# Altium PCB Seeed Case (113x70x25) - Alarm Interface (2560).PcbDoc (continued)
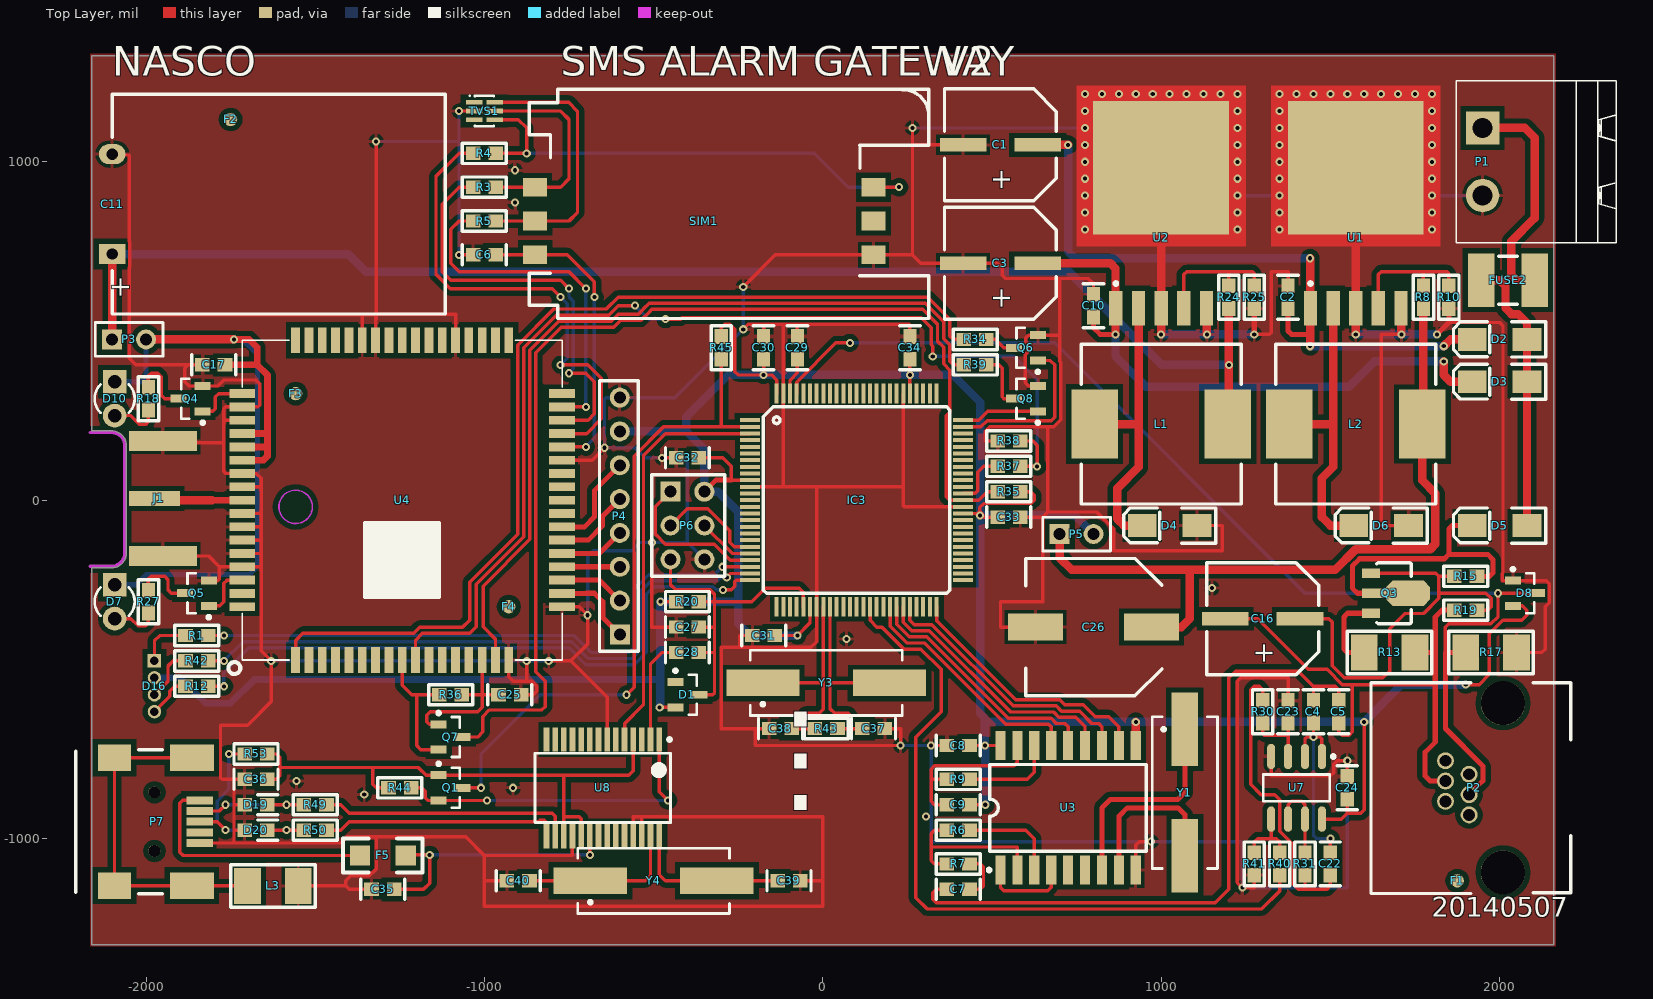
[diagram p0: Top Layer view]
## Nets (pads, with @x,y where several pads share a name; then routed paths per layer and width w, separated by ;. In a path a pad name is that pad's centre, name@x,y a point inside that pad or via, vN(x,y) a via of type N, cw(c..) or ccw(c..) an arc to the next point about the centre after c; other vN are vias at no path point)
3V3: C36.1 Q1.1 R44.2 R53.1 U8.4 U8.17 U8.19 | length 1671.8
  Top Layer w10: C36.1 -1615,-825 -1605,-815 -1605,-760 -1615,-750 R53.1 ; -1602.5,-790 -1330,-790 ; R44.2 -1320,-850 -1330,-840 -1330,-790 ; U8.17 -765,-992.57 -765,-935 ; U8.19 -713.97,-941.03 -720,-935 -765,-935 ; U8.4 -560.43,-800 -573.03,-812.6 -765,-812.6 ; -1330,-790 -1195,-790 -1172.4,-812.6 Q1.1 -765,-812.6 ; -765,-935 -765,-812.6
4V: C11.1 L1.2 P3.1 R24.2 | length 4026.3
  Top Layer w25: P3.1 C11.1 ; L1.2@1200,228.15 v1(1200,400) R24.2
  Bottom Layer w25: C11.1 -1402.36,727.36 -1350,675 726.67,675 1001.67,400 v1(1200,400)
5V: C8.1 C9.1 C24.1 C30.1 C31.1 C32.1 C33.1 C34.1 D1.2 D8.2 D16.2 IC3.10 IC3.31 IC3.61 IC3.80 IC3.100 P4.7 P5.2 P6.2 R20.2 R35.2 R45.2 U3.10 U3.18 U7.8 | length 9623.5
  Top Layer w10: v1(-481.97,-612.4) D1.2 ; v1(-480,-300) R20.2 ; C32.1 -295,125 -270,100 -270,60 -269.06,59.06 IC3.10 ; R45.2 -300,510 -290,520 -275,520 -260,505 -260,380 -250,370 v1(-175,370) ; C30.1 v1(-175,370) ; C31.1 v1(-75,-400) -37.79,-362.79 IC3.31 ; IC3.100 -136.22,355 -151.22,370 v1(-175,370) ; IC3.80 v1(257.48,370) C34.1 ; IC3.61 v1@464.37,-39.37 ; C9.1 v1(480,-900) ; C8.1 v1(479.23,-725) U3.18 ; v1@467.01,-42.01 v1@464.37,-39.37 ; v1@475,-50 C33.1 ; R35.2 615,25 625,15 625,0 615,-10 475.91,-10 464.37,-21.54 v1@464.37,-39.37 ; U7.8 1532.48,-942.52 1550,-925 ; C24.1 1550,-925 ; v1(1600,-655) 1600,-915 1590,-925 1550,-925 ; v1(1900,-545) 1940,-545 1970,-515 1970,-395 2010,-355 2065,-355 2080,-340 2080,-325 2067.4,-312.4 D8.2
  Top Layer w15: P6.2 -315,60 -270,60
  Top Layer w25: v1@464.37,-43.4 465,-44.03 v1(465,-45) ; U3.10 v1(925,-655)
  Bottom Layer w20: D16.2 -1900,-525 -1825,-600 -1750,-600 -1680,-530 -480,-530
  Bottom Layer w25: P4.7 -403.15,203.15 ; v1(-481.97,-612.4) -480,-610.43 -480,-530 v1(-480,-300) -250,-300 ; v1(-75,-400) -215,-400 -250,-365 -250,-300 ; v1(480,-900) 480,-725.77 v1(479.23,-725) 479.23,-655 ; P5.2 745,-45 v1(465,-45) ; v1(1900,-545) 1710,-545 v1(1600,-655) v1(925,-655) 479.23,-655 ; -403.15,203.15 -350,150 P6.2 -310,25 -250,-35 -250,-300 ; -403.15,203.15 -403.15,246.85 -280,370 v1(-175,370) v1(257.48,370) 385,370 465,290 v1(465,-45) ; v1(465,-45) 465,-630 479.23,-644.23 479.23,-655
B1: D16.4 R12.2 | length 131.4
  Top Layer w10: D16.4 -1930,-580 -1930,-565 -1915,-550 R12.2
BLUE: IC3.24 R42.1 | length 1851.1
  Top Layer w10: R42.1 v1(-1770,-475) ; v1(-283.85,-228.85) -271.53,-216.53 IC3.24
  Bottom Layer w10: v1(-1770,-475) -1713,-418 -742.46,-418 -692.46,-468 -565.04,-468 -539.47,-442.43 -539.47,-269.93 -507.54,-238 -312.54,-238 -304.54,-230 -285,-230 v1(-283.85,-228.85)
C2: R5.2 SIM1.C2 TVS1.6 | length 807
  Top Layer w10: TVS1.6 -750.59,1175.59 -725,1150 -725,850 -750,825 SIM1.C2 R5.2
C3: R3.2 SIM1.C3 TVS1.5 | length 631.7
  Top Layer w10: TVS1.5 -775,1150 -750,1125 -750,950 -775,925 SIM1.C3 R3.2
C7: R4.2 SIM1.C7 TVS1.4 | length 1487.6
  Top Layer w10: TVS1.4 -899.41,1124.41 -875,1100 v1(-875,1025) -900,1025 R4.2 ; SIM1.C7 v1(225,925)
  Bottom Layer w10: v1(-875,1025) -25,1025 75,925 v1(225,925)
DTMF_0: IC3.50 U3.11 | length 765
  Top Layer w10: IC3.50 336.23,-356.23 570,-590 700,-590 715,-605 770,-605 805,-640 845,-640 875,-670 U3.11
DTMF_1: IC3.46 U3.12 | length 793
  Top Layer w10: IC3.46 257.48,-355 270.48,-368 322.54,-368 562.54,-608 689.37,-608 705.37,-624 759,-624 795,-660 815,-660 825,-670 U3.12
DTMF_2: IC3.45 U3.13 | length 766.1
  Top Layer w10: IC3.45 237.8,-360.78 263.02,-386 315.09,-386 555.09,-626 681.91,-626 697.91,-642 747,-642 775,-670 U3.13
DTMF_3: IC3.44 U3.14 | length 739.2
  Top Layer w10: IC3.44 218.11,-366.54 255.57,-404 307.63,-404 547.63,-644 674.46,-644 690.46,-660 715,-660 725,-670 U3.14
G1: D16.3 R42.2 | length 159.3
  Top Layer w10: D16.3 -1935,-535 -1935,-490 -1920,-475 R42.2
GND: C1.2 C2.2 C3.2 C6.2 C8.2 C10.2 C11.2 C17.2 C23.2 C24.2 C25.2 C26.2 C27.1 C29.2 C30.2 C31.2 C32.2 C33.2 C34.2 C35.2 C36.2 C37.2 C38.2 C39.2 C40.2 D4.1 D6.1 D8.1 D19.1 D20.1 IC3.11 IC3.32 IC3.62 IC3.81 IC3.99 J1.2 L3.2 P1.2 P4.8 P6.6 P7.5 Q4.2 Q5.2 Q6.2 Q8.2 R10.1 R17.1 R25.1 R38.2 R41.1 SIM1.C5 TVS1.2 U1.3 U1.5 U1.6 U2.3 U2.5 U2.6 U3.9 U4.17 U4.18 U4.29 U4.39 U4.45 U4.46 U4.53 U4.54 U4.58 U4.59 U4.61 U4.62 U4.63 U4.64 U4.65 U7.4 U8.7 U8.18 U8.25 U8.26 | length 31862.9
  Top Layer w10: C11.2 -2097.36,1020 -2050,1020 -2050,764.64 -2047.63,762.27 -2047.63,690.08 -2050,687.71 -2050,420 -2030,400 -1875,400 ; -2048.4,548.4 -1360.97,548.4 ; J1.2@-1992.86,-170 J1.2@-1950,-170 ; J1.2@-1992.86,170 -1770,170 ; J1.2@-1950,-165 -1815,-165 -1783.15,-196.85 ; P7.5 -1742.99,-1012.99 ; C17.2 -1875,400 ; Q5.2 -1787.6,-237.6 -1783.15,-233.15 -1783.15,-196.85 ; U4.64 -1662.48,-157.48 ; U4.63 -1663.11,-118.11 ; U4.62 -1661.26,-78.74 ; U4.61 -1660.63,-39.37 -1660,-40 ; U4.59 -1660,39.37 ; U4.54 -1768.78,236.22 -1770,235 ; D20.1 -1740,-975 ; D19.1 -1740,-900 ; C36.2 -1740,-825 ; L3.2 -1410.01,-1139.99 ; U4.46 -1360.97,548.4 ; C35.2 -1400,-1150 -1410.01,-1139.99 ; U4.45 -1321.6,548.4 -1360.97,548.4 ; -1320,536.6 -1320,550 ; v1(-1320,1060) -1320,550 ; U4.39 -1085,472.81 -1085,550 -1320,550 ; v1(-1075,725) C6.2 ; v1(-1075,1150) TVS1.2 ; C40.2 -1000,-1125 ; U4.17 -927.89,-522.11 -915,-535 -875,-535 ; C25.2 -855,-575 -845,-565 -845,-550 -860,-535 -875,-535 ; v1(-875,-475) -875,-535 ; v1(-810,-475) -745,-475 ; U4.18 -720.04,-314.96 v1(-695,-340) -695,-425 -745,-475 ; U4.29 -681.89,118.11 v1(-645,155) ; U8.18 -740,-993.16 -740,-1050 -1000,-1050 ; U8.7 -637.2,-582.8 -745,-475 ; U8.25 -560.43,-935.43 -560,-935 -535,-935 ; U8.26 -535,-992.56 -535,-935 ; v1(-505,-125) -505,-375 C27.1 ; v1(-475,125) C32.2 ; v1(-235,505) -220,520 -175,520 ; v1(-235,630) -140,725 SIM1.C5 265,725 ; IC3.11 -116.53,39.37 ; C31.2 -245,-400 -245,-435 ; C30.2 -175,520 ; C38.2 -200,-675 ; -116.53,518.47 IC3.99 -116.53,39.37 ; C29.2 -75,520 ; C39.2 0,-1125 ; -18.11,37.48 IC3.32 -18.11,-418.11 -35,-435 -245,-435 ; C37.2 230,-675 v1(230,-725) -200,-725 -200,-675 ; 237.17,39.37 -116.53,39.37 ; 237.8,-16.88 IC3.81 ; 240.6,-19.68 IC3.62 ; C34.2 257.48,517.52 255,520 -75,520 ; v1(265,1100) 265,1050 ; v1(320,-725) C8.2 ; C1.2 265,1050 ; R38.2 480,175 480,204.09 492.91,217 665,217 ; C33.2 650,-50 ; 598.81,348.62 598.81,430.43 605,436.62 605,463.38 600,468.38 600,479.19 608.21,487.4 Q6.2 697.4,487.4 700,490 ; 600,356.42 600,345.61 608.21,337.4 Q8.2 ; C26.2 525,-375 525,-300 650,-300 650,-50 ; C10.2 800,640 785,655 700,655 ; U3.9 925,-1019.06 935,-1009.06 v1(970,-1009.06) ; D4.1 1180,-75 1180,-150 860,-150 860,-85 810,-35 665,-35 ; R41.1 1275,-1145 v1(1240,-1145) 1225,-1130 1225,-535 1235,-525 1375,-525 C23.2 ; v1(1275,490) 1320,490 1325,495 1325,675 1375,675 C2.2 ; U7.4 1325,-815 1500,-815 1510,-805 1510,-780 1520,-770 v1@1545,-770 ; C24.2 1550,-775 v1@1545,-770 ; v1(1550,-770) v1@1545,-770 ; v1(1710,490) 1650,490 1650,-75 D6.1 ; 1850,525 2000,525 2010,515 2010,-215 2007.4,-217.6 2007.4,-237.6 D8.1 2137.6,-237.6 2147.06,-247.06 2147.06,-302.94 2135,-315 2135,-440 2125,-450 R17.1 ; -1875,400 -1885,390 -1885,350 -1872.4,337.4 Q4.2 -1787.6,337.4 -1770,355 -1675.5,355 -1664.3,343.8 -1664.3,280.7 -1669.41,275.59 U4.53 -1764.41,275.59 -1770,270 -1770,235 ; -1783.15,-196.85 U4.65 -1661.85,-196.85 -1660,-195 ; -1770,170 -1770,85 -1763.74,78.74 U4.58 -1673.74,78.74 -1660,65 -1660,39.37 ; -1770,170 -1770,235 ; -1742.99,-1012.99 -1740,-1010 -1740,-975 ; -1742.99,-1012.99 -1422.99,-1012.99 -1405,-995 -1320,-995 ; -1740,-975 -1740,-900 ; -1740,-900 -1740,-825 ; -1740,-825 -1775,-825 -1780,-820 -1780,-665 -1700,-665 -1630,-595 v1(-1630,-475) -1660,-445 -1660,-195 ; -1660,-195 -1660,-40 ; -1660,-40 -1660,39.37 ; -1410.01,-1139.99 -1410.01,-1125.01 -1395,-1110 -1340,-1110 -1320,-1090 -1320,-995 ; -1320,-995 -1055,-995 -1000,-1050 ; -1000,-1125 -1000,-1200 0,-1200 0,-1125 ; -1000,-1125 -1000,-1050 ; -535,-935 0,-935 0,-1125 ; -245,-435 -300,-435 -300,-675 -200,-675 ; -175,520 -75,520 ; 265,725 290,700 C3.2 515,700 530,685 530,665 540,655 700,655 ; 265,725 265,1050 ; 650,-50 665,-35 ; 665,-35 665,217 ; 665,217 682.46,217 703,237.54 703,407.46 700,410.46 700,490 ; 700,490 700,655
  Top Layer w15: v1(1275,490) R25.1 ; v1(1815,490) 1850,525 R10.1
  Top Layer w25: v1(1000,490) U2.3 U2.6 ; U2.5 1135,566.18 v1(1135,490) ; v1(1575,490) U1.3 U1.6 ; U1.5 1710,566.18 v1(1710,490)
  Bottom Layer w10: v1(-1630,-475) v1(-875,-475) v1(-810,-475) ; v1(-1320,1060) -1075,1060 ; v1(-1075,725) -1075,1060 ; v1(-1075,1150) -1075,1060 ; v1(-695,-340) -695,-165 -680,-150 -565,-150 -540,-125 v1(-505,-125) -400,-125 ; P6.6 -400,-125 ; v1(-235,630) v1(-235,505) -436.85,303.15 P4.8 -641.85,303.15 -645,300 v1(-645,155) -555,155 -525,125 v1(-475,125) -400,125 -400,-125 ; v1(230,-725) v1(320,-725) 320,-1010 320.94,-1009.06 v1(970,-1009.06) 1239.06,-1009.06 1240,-1010 v1(1240,-1145) 1550,-1145 v1(1550,-770) ; v1(265,1100) v1(775,1100) ; v1(775,900) v1(1225,900) v1(1350,900) v1(1800,900) P1.2
  Bottom Layer w25: v1(1000,490) v1(1135,490) v1(1275,490) ; v1(1575,490) v1(1710,490) v1(1815,490)
  other v1: 305,-935 -1355,-870 -915,-850 -1555,-830 70,-410 1150,-260 775,800 1225,800 1350,800 1800,800 775,850 1225,850 1350,850 1800,850 -910,880 775,950 1225,950 1350,950 1800,950 -910,975 775,1000 1225,1000 1350,1000 1800,1000 775,1050 1225,1050 1350,1050 1800,1050 1225,1100 1350,1100 1800,1100 775,1150 1225,1150 1350,1150 1800,1150 775,1200 825,1200 875,1200 925,1200 975,1200 1025,1200 1075,1200 1125,1200 1175,1200 1225,1200 1350,1200 1400,1200 1450,1200 1500,1200 1550,1200 1600,1200 1650,1200 1700,1200 1750,1200 1800,1200
GREEN: IC3.25 R12.1 | length 1913.5
  Top Layer w10: R12.1 v1(-1770,-550) ; v1(-295,-265) -270,-265 -260,-255 -260,-240.36 -255.86,-236.22 IC3.25
  Bottom Layer w10: v1(-1770,-550) -1770,-510 -1760,-500 -1759.64,-500 -1695.64,-436 -749.91,-436 -699.91,-486 -557.59,-486 -521.47,-449.88 -521.47,-277.38 -500.09,-256 -324,-256 -315,-265 v1(-295,-265)
LINE: C4.2 C5.1 C7.2 | length 2015.5
  Top Layer w10: C7.2 335,-1150 325,-1160 325,-1180 335,-1190 1160,-1190 1200,-1150 1200,-525 1220,-505 1405,-505 1450,-550 ; C4.2 1450,-550 ; C5.1 1525,-560 1515,-550 1450,-550
LINE_L: P4.6 U4.24 | length 291.5
  Top Layer w15: U4.24 -703.74,-78.74 -675,-50 -675,28.15 P4.6
LINE_R: P4.5 U4.23 | length 237.1
  Top Layer w15: U4.23 -693.11,-118.11 -651.57,-76.57 -651.57,-48.43 P4.5
MIC_N: P4.2 U4.20 | length 195.5
  Top Layer w15: U4.20 -660.63,-236.22 P4.2
MIC_P: P4.1 U4.19 | length 248.6
  Top Layer w15: U4.19 -699.41,-275.59 -698.82,-275 -675,-275 -650,-300 -650,-346.85 P4.1
MISO: IC3.22 P6.1 | length 455.8
  Top Layer w10: P6.1 -495,-20 -495,-100 -494.64,-100 -480,-114.64 -480,-115 -465,-130 -320.91,-130 -273.75,-177.16 IC3.22
MOSI: IC3.21 P6.4 | length 169.5
  Top Layer w10: P6.4 -350,-75.46 -267.98,-157.48 IC3.21
NetC4_1: C4.1 C22.2 U7.1 U7.2 | length 586.3
  Top Layer w10: U7.2 1425,-705 1430,-700 v1(1450,-700) ; C4.1 v1(1450,-700) ; U7.1 1475,-705 1470,-700 v1(1450,-700) ; C22.2 v1(1500,-1000)
  Bottom Layer w10: v1(1450,-700) 1450,-990 1460,-1000 v1(1500,-1000)
NetC7_1: C7.1 R7.1 | length 146.4
  Top Layer w10: C7.1 465,-1150 475,-1140 475,-1085 465,-1075 R7.1
NetC9_2: C9.2 R9.2 U3.17 | length 505.5
  Top Layer w10: C9.2 330,-900 320,-890 320,-825 ; R9.2 320,-825 ; U3.17 575,-775 565,-785 330,-785 320,-795 320,-825
NetC16_1: C16.1 Q3.3 R15.1 R19.2 | length 1275.2
  Top Layer w10: C16.1 1495,-350 1505,-360 1505,-489.09 1540.91,-525 1655,-525 1675,-505 1675,-380 1720,-335 1775.21,-335 1820,-290.21 1820,-275 ; Q3.3 1810.94,-215.94 1820,-225 ; R15.1 1820,-225 ; R19.2 1965,-325 1975,-315 1975,-290.36 1959.64,-275 1820,-275 ; 1820,-275 1820,-225
NetC22_1: C22.1 R30.1 R31.2 | length 918.5
  Top Layer w10: R30.1 1300,-560 1290,-550 1275,-550 1265,-560 1265,-840 1295,-870 1335,-870 1350,-885 1350,-978.2 1390,-1018.2 1390,-1135 1405,-1150 1425,-1150 ; R31.2 1425,-1150 ; C22.1 1500,-1140 1490,-1150 1425,-1150
NetC23_1: C23.1 R30.2 U7.3 | length 207.6
  Top Layer w10: R30.2 1300,-690 1305,-695 1375,-695 ; U7.3 1375,-695 ; C23.1 1375,-695
NetC26_1: C26.1 L2.2 P5.1 R8.2 | length 2208.3
  Top Layer w15: L2.2 L2.2@1775,228.15
  Top Layer w25: P5.1 700,-170 735,-205 1085,-205 ; C26.1 1060,-375 1085,-350 1085,-205 ; L2.2 1771.85,58.15 1810,20 1810,-130 1795,-145 1575,-145 1515,-205 1085,-205 ; L2.2@1775,228.15 R8.2
NetC28_1: C28.1 U8.2 | length 313
  Top Layer w10: U8.2 -509.25,-484.25 -475,-450 C28.1
NetC29_1: C29.1 IC3.98 | length 110.6
  Top Layer w10: IC3.98 -96.85,355 -75,376.85 C29.1
NetC39_1: C39.1 U8.28 Y4.2 | length 471.5
  Top Layer w10: U8.28 -483.66,-1106.34 -465,-1125 Y4.2 C39.1
NetC40_1: C40.1 U8.27 Y4.1 | length 480.3
  Top Layer w10: C40.1 Y4.1 -525,-1125 -509.25,-1109.25 U8.27
NetD4_2: D4.2 L1.1 U2.2 | length 860.7
  Top Layer w25: L1.1 933.07,225 ; U2.2 933.07,225 ; D4.2 890,-75 870,-55 870,35 933.07,98.07 933.07,225
NetD6_2: D6.2 L2.1 U1.2 | length 865.3
  Top Layer w25: L2.1 1508.07,225 ; U1.2 1508.07,225 ; D6.2 1500,-75 1475,-50 1475,65 1508.07,98.07 1508.07,225
NetD7_2: D7.2 R27.2 | length 141.6
  Top Layer w10: D7.2 -2045.06,-349.94 -2023.57,-371.43 -2001.43,-371.43 -1992.86,-362.86 R27.2
NetD10_2: D10.2 R18.2 | length 148.6
  Top Layer w10: D10.2 -2045.06,250.06 -2018.57,223.57 -2001.43,223.57 -1992.86,232.14 R18.2
NetF5_1: F5.1 P7.1 | length 743.8
  Top Layer w10: P7.1 -1892.01,-887.01 -1900,-895 -1900,-1040 -1890,-1050 F5.1
NetL3_1: L3.1 P7.0 | length 998.4
  Top Layer w10: P7.0@-1864.76,-1138.98 -2093.11,-1138.98 -2093.11,-761.02 P7.0@-1864.76,-761.02 ; P7.0@-1863.74,-1140 L3.1
NetQ1_2: Q1.2 R44.1 U8.1 | length 977.1
  Top Layer w10: R44.1 -1185,-850 -1175,-860 -1175,-880 -1167.6,-887.4 Q1.2 v1(-992.4,-887.4) ; U8.1 -483.66,-861.34 v1(-457.6,-887.4)
  Bottom Layer w10: v1(-992.4,-887.4) v1(-457.6,-887.4)
NetQ3_1: Q3.1 R13.2 | length 244
  Top Layer w15: R13.2 1550.01,-450.01 1540,-440 1540,-345 1550.95,-334.05 Q3.1
NetQ4_3: Q4.3 R18.1 | length 189.8
  Top Layer w10: R18.1 -1992.86,367.14 -1985,375 -1965,375 -1955,365 -1955,310 -1945,300 Q4.3
NetQ5_3: Q5.3 R27.1 | length 182.6
  Top Layer w10: R27.1 -1992.86,-232.86 -1985,-225 -1945,-225 -1935,-235 -1935,-265 -1925,-275 Q5.3
NetQ6_3: Q6.3 R34.1 | length 91.5
  Top Layer w10: R34.1 510,475 535,450 Q6.3
NetQ7_2: Q7.2 R36.1 U4.9 | length 409.9
  Top Layer w10: U4.9 -1242.85,-547.15 -1215,-575 R36.1 ; -1200,-580.38 -1200,-725 -1187.6,-737.4 Q7.2
NetQ8_3: Q8.3 R39.1 | length 172.3
  Top Layer w10: R39.1 520,400 530,390 530,305 535,300 Q8.3
NetR6_1: R6.1 R7.2 U3.2 | length 499.5
  Top Layer w10: 325,-1025 575,-1025 U3.2 ; R7.2 330,-1075 320,-1065 320,-985 330,-975 R6.1
NetR6_2: R6.2 U3.3 | length 295
  Top Layer w10: R6.2 600,-975 625,-1000 U3.3
NetR8_1: R8.1 R10.2 U1.4 | length 391.2
  Top Layer w10: U1.4 1641.93,666.93 1650,675 1775,675 ; R8.1 1775,675 ; R10.2 1850,670 1845,675 1775,675
NetR9_1: R9.1 U3.16 | length 279.3
  Top Layer w10: R9.1 604.06,-825 625,-804.06 U3.16
NetR24_1: R24.1 R25.2 U2.4 | length 391.2
  Top Layer w10: U2.4 1066.93,666.93 1075,675 1200,675 ; R24.1 1200,675 ; R25.2 1275,670 1270,675 1200,675
NetR31_1: R31.1 U7.6 U7.7 | length 242.3
  Top Layer w10: U7.6 1375,-900 1385,-890 1415,-890 1425,-900 U7.7 R31.1
NetR34_2: R34.2 U4.1 | length 2926.5
  Top Layer w10: U4.1 -1557.82,-414.74 -1536.78,-393.7 -1209.25,-393.7 -1191.25,-375.7 -1064.68,-375.7 -1043.31,-354.33 -1043.31,-242.4 -902,-101.09 -902,428.83 -901.89,428.94 -901.89,458.11 -795,565 -640,565 -605,600 309.91,600 375,534.91 375,485 385,475 R34.2
NetR37_2: R37.2 R38.1 U4.10 | length 3271.8
  Top Layer w10: U4.10 -1203.48,-413.39 -1183.79,-393.7 -1043.31,-393.7 -1023.62,-374.02 -1023.62,-248.17 -884,-108.54 -884,421.26 -883.89,421.37 -883.89,450.66 -787.54,547 -632.54,547 -604.54,575 v1(-555,575) ; v1(-465,535) -420,535 -415,540 290,540 320,510 320,460 325,455 v1(325,425) ; R37.2 v1(633.46,100) 633.46,161.54 620,175 R38.1
  Bottom Layer w10: v1(-555,575) -515,535 v1(-465,535) ; v1(325,425) 565,425 633.46,356.54 v1(633.46,100)
NetR39_2: R39.2 U4.16 | length 2421.1
  Top Layer w10: -967.26,-431.73 -967.26,-410.7 -1003.94,-374.02 -1003.94,-253.94 -866,-116 -866,413.69 -865.89,413.8 -865.89,443.2 -780.09,529 -625.09,529 -604.09,550 -544.64,550 -530,564.64 -530,565 -513,582 302.46,582 357,527.46 357,477.54 375,459.54 375,410 385,400 R39.2
NetR40_2: R40.2 R41.2 U7.5 | length 203.8
  Top Layer w10: R41.2 1275,-1010 1285,-1000 1325,-1000 ; U7.5 1325,-1000 ; R40.2 1350,-1010 1340,-1000 1325,-1000
NetR49_2: R49.2 U8.16 | length 748.4
  Top Layer w10: R49.2 -1425,-900 -1400,-925 -800,-925 -790.74,-934.26 U8.16
NetR50_2: R50.2 U8.15 | length 705.3
  Top Layer w10: R50.2 -1425,-975 -1400,-950 -840,-950 -835,-945 -825,-945 -816.33,-953.67 U8.15
NetU3_1: U3.1 U3.4 | length 260.2
  Top Layer w10: U3.1 525,-1144.06 535,-1154.06 665,-1154.06 675,-1144.06 U3.4
NetU3_7: U3.7 Y1.1 | length 634.7
  Top Layer w15: U3.7 825,-909.06 850,-884.06 1050,-884.06 1070,-864.05 Y1.1
NetU3_8: U3.8 Y1.2 | length 494.7
  Top Layer w15: U3.8 875,-934.06 900,-909.06 1050,-909.06 1070,-929.06 Y1.2
PL2303_RXD: IC3.3 U8.5 | length 1204.3
  Top Layer w10: U8.5 -585,-706.26 -585,-660 -530,-605 -530,131.85 -465,196.85 IC3.3
PL2303_TXD: IC3.2 Q1.3 R45.1 | length 1950.1
  Top Layer w10: Q1.3 v1(-1010,-850) ; v1(-580,-575) -557.47,-552.47 -557.47,-153.34 -558,-152.81 -558,-114.99 -557.47,-114.47 -557.47,129.83 -470.77,216.54 -300,216.54 ; R45.1 -300,216.54 ; IC3.2 -300,216.54
  Bottom Layer w10: v1(-1010,-850) -1010,-750 -835,-575 v1(-580,-575)
R1: D16.1 R1.2 | length 157.8
  Top Layer w10: D16.1 -1975,-415 -1960,-400 R1.2
R\E\S\E\T\: C27.2 C28.2 D1.3 IC3.30 P6.5 R20.1 | length 1016.9
  Top Layer w10: P6.5 -450,-250 -435,-265 -332.5,-265 -320,-277.5 -320,-300 ; C28.2 -325,-450 ; C27.2 -320,-375 ; R20.1 -320,-300 ; D1.3 -325,-575 -320,-570 -320,-375 ; IC3.30 -57.48,-272.52 -70,-260 -170,-260 -210,-300 -320,-300 ; -320,-375 -320,-300
RED: IC3.23 R1.1 | length 1828.2
  Top Layer w10: R1.1 v1(-1770,-400) ; v1(-296.85,-196.85) IC3.23
  Bottom Layer w10: v1(-1770,-400) -735,-400 -685,-450 -572.5,-450 -557.47,-434.97 -557.47,-262.47 -515,-220 -320,-220 v1(-296.85,-196.85)
RF_ANT: J1.1 U4.60 | length 302.6
  Top Layer w20: -1805,0 U4.60
  Top Layer w25: J1.1@-2017.86,0 -1805,0
RING(-): D8.3 IC3.97 P2.4 R17.2 | length 3431.4
  Top Layer w10: IC3.97 -77.16,349.1 38.74,465 v1(80,465) ; 1840,-450 1840,-375 1850,-365 1974.54,-365 1995.5,-344.04 1995.5,-275.5 v1(1995,-275) D8.3
  Top Layer w15: R17.2 1840,-450 1840,-675 1950.5,-785.5 1950.5,-829.5 P2.4
  Bottom Layer w10: v1(80,465) 685,465 1425,-275 v1(1995,-275)
SCK: IC3.20 P6.3 | length 323.1
  Top Layer w10: P6.3 -400,-25 -339.86,-25 -275,-89.86 -275,-125 -262.21,-137.79 IC3.20
SIM900_NETLIGHT: Q4.1 U4.52 | length 159.3
  Top Layer w10: Q4.1 -1802.4,262.6 -1795,270 -1795,305 -1785,315 -1770.08,315 ; -1770.04,314.96 U4.52
SIM900_P\W\R\: IC3.74 Q6.1 | length 491.6
  Top Layer w10: IC3.74 467,216.54 485.46,235 675,235 685,245 685,400 672.4,412.6 Q6.1
SIM900_R\E\S\E\T\: IC3.75 Q8.1 | length 231.4
  Top Layer w10: IC3.75 461.22,236.22 487.6,262.6 Q8.1
SIM900_RXD: IC3.64 R37.1 | length 166.7
  Top Layer w10: IC3.64 415.74,20.46 449.88,20.46 457.5,28.08 457.5,82.5 475,100 R37.1
SIM900_STATUS: Q5.1 U4.66 | length 163
  Top Layer w10: Q5.1 -1782.4,-312.4 -1770,-300 -1770,-245.46 -1762,-237.46 -1762,-237 -1761.22,-236.22 U4.66
SIM900_TXD: IC3.63 Q7.3 R35.1 | length 3319.1
  Top Layer w10: Q7.3 -1020,-700 -1005,-685 -1005,-640 -985,-620 -830,-620 -820,-610 -820,-535 -848,-507 -848,406.12 -847.89,406.23 -847.89,435.75 -772.63,511 -617.63,511 -596.63,532 -537.19,532 -512,557.19 -512,557.54 -505.54,564 295,564 339,520 339,470.09 357,452.09 357,402.54 375,384.54 375,260 365,250 365,10 375,0 IC3.63 460.46,0 485.46,25 R35.1
SIM_CLK: R3.1 U4.32 | length 1252.3
  Top Layer w10: R3.1 -1075,925 -1125,875 -1125,675 -1100,650 -775,650 v1(-750,625) ; U4.32 -693.78,236.22 -675,255 -675,350 -700,375 v1(-750,375)
  Bottom Layer w10: v1(-750,375) -737,388 -737,587.46 -750,600.46 v1(-750,625)
SIM_DATA: R4.1 U4.31 | length 1429.6
  Top Layer w10: R4.1 -1075,1025 -1143,957 -1143,667.54 -1100.46,625 -800,625 v1(-775,600) ; v1(-775,400) -695,400 -655,360 -655,240 -698.15,196.85 U4.31
  Bottom Layer w10: v1(-775,400) -755,420 -755,580 v1(-775,600)
SIM_RST: R5.1 U4.33 | length 1028.6
  Top Layer w10: R5.1 -1075,825 -1100,800 -1100,700 -1075,675 -750,675 v1(-700,625) ; U4.33 -700.59,275.59 v1(-700,275)
  Bottom Layer w10: v1(-700,275) v1(-700,625)
SIM_VDD: C6.1 SIM1.C1 U4.30 | length 893
  Top Layer w10: C6.1 SIM1.C1 -755,725 -675,645 v1(-675,600) ; U4.30 v1(-700,157.48)
  Bottom Layer w10: v1(-700,157.48) -675,182.48 v1(-675,600)
SPK_N: P4.4 U4.22 | length 195.5
  Top Layer w15: U4.22 -660.63,-157.48 P4.4
SPK_P: P4.3 U4.21 | length 170.4
  Top Layer w15: U4.21 P4.3
STD: IC3.43 U3.15 | length 712.2
  Top Layer w10: IC3.43 199.2,-315.73 199.2,-373.09 248.11,-422 300.18,-422 540.18,-662 667,-662 675,-670 U3.15
TIP(+): C5.2 C16.2 P2.3 R13.1 R19.1 | length 1589.3
  Top Layer w10: C16.2 1285,-350 1435,-500 1490.46,-500 1535.46,-545 1565,-545 ; C5.2 1525,-685 1535,-695 1555,-695 1565,-685 1565,-545 ; 1810,-545 1565,-545
  Top Layer w15: R13.1 1810,-450 ; P2.3 1795,-830 1780,-815 1780,-745 1810,-715 1810,-545 1810,-450 ; R19.1 1830,-325 1810,-345 1810,-450
TONE: IC3.40 R40.1 | length 2173.6
  Top Layer w10: IC3.40 140,-315.59 140,-355 160,-375 175,-375 240,-440 290,-440 350,-500 350,-625 275,-700 275,-1175 308,-1208 1297,-1208 1350,-1155 R40.1
USB+: D20.2 P7.3 R50.1 R53.2 | length 671
  Top Layer w10: P7.3 -1790,-950 v1(-1765,-975) ; v1(-1755,-750) R53.2 ; D20.2 v1(-1585,-975) R50.1
  Bottom Layer w10: v1(-1755,-750) -1755,-854.64 -1790,-889.64 -1790,-950 v1(-1765,-975) v1(-1585,-975)
USB-: D19.2 P7.2 R49.1 | length 371.9
  Top Layer w10: P7.2 -1783.5,-918.5 v1(-1765,-900) ; D19.2 v1(-1585,-900) R49.1
  Bottom Layer w10: v1(-1765,-900) v1(-1585,-900)
USB_5V: C35.1 F5.2 U8.20 | length 793.9
  Top Layer w10: C35.1 -1180,-1150 -1161.62,-1131.62 v1(-1161.62,-1048.38) F5.2@-1230.88,-1048.38 ; v1(-688.38,-1048.38) U8.20
  Bottom Layer w10: v1(-1161.62,-1048.38) v1(-688.38,-1048.38)
V+: D2.1 D3.1 D5.1 FUSE2.2 | length 824
  Top Layer w25: FUSE2.2 2000,650 2017.5,632.5 2017.5,567.5 2035,550 2055,550 2081,524 D2.1 D3.1 D5.1
V+1: C3.1 C10.1 D3.2 U2.1 | length 1771.4
  Top Layer w15: C10.1 800,510 820,490 v1(865,490)
  Top Layer w25: C3.1 850,700 865,685 v1(865,490) ; v1(1835,410) 1835,370 1855,350 D3.2
  Bottom Layer w25: v1(865,490) 865,425 955,335 1555,335 1630,410 v1(1835,410)
V+2: C1.1 C2.1 D2.2 U1.1 | length 2010.3
  Top Layer w15: C2.1 1375,500 1385,490 1440,490
  Top Layer w25: C1.1 v1(725,1050) ; v1(1440,455) 1440,490 U1.1@1440,566.18 ; v1(1440,715) 1440,568.46 U1.1 ; v1(1835,455) 1855,475 D2.2
  Bottom Layer w25: v1(725,1050) 725,735 745,715 v1(1440,715) ; v1(1440,455) v1(1835,455)
V_LINE: D5.2 Q3.2 R15.2 | length 910.6
  Top Layer w15: Q3.2@1729.63,-275 1629.23,-275 1580,-275 1565,-260 1565,-194.6 1586.6,-173 1837,-173 1850,-160 ; D5.2 1860,-75 1850,-85 1850,-160 ; R15.2 1970,-225 1980,-215 1980,-175 1965,-160 1850,-160
VBAT: C17.1 D7.1 D10.1 P3.2 U4.55 U4.56 U4.57 | length 2360.5
  Top Layer w20: C17.1 -1671.3,400 ; v1(-1740,475) -1695,475 -1671.3,451.3 -1671.3,400 ; U4.57 -1653.15,118.11 -1641.3,129.96 -1641.3,200 ; U4.56 -1653.15,157.48 ; U4.55 -1644.45,196.85 -1641.3,200 ; -1671.3,400 -1641.3,370 -1641.3,200
  Top Layer w25: P3.2 v1(-1740,475)
  Bottom Layer w15: D7.1 -2029.94,-249.94 -2000.06,-220.06 -1695,-220.06 -1670,-195.06 -1670,430 -1715,475 v1(-1740,475) ; D10.1 -2000.06,350.06 -2000,350 P3.2
VDD_EXT: C25.1 Q7.1 R36.2 U4.15 | length 478
  Top Layer w10: Q7.1 -1162.4,-662.6 -1170,-655 -1170,-635 -1160,-625 -1020,-625 -1006.63,-611.63 -1006.63,-575 ; R36.2 -1006.63,-575 ; U4.15 -1006.63,-575 ; C25.1 -1006.63,-575
VIN: FUSE2.1 P1.1 | length 640.3
  Top Layer w25: P1.1@1985,1100 2075,1100 2103.74,1071.26 2103.74,833.74 2035,765 2035,665 2050,650 FUSE2.1
XTAL1: C37.1 IC3.34 R43.2 Y3.2 | length 652.7
  Top Layer w10: IC3.34 21.26,-540 ; R43.2@48.46,-675 82.5,-675 ; C37.1 82.5,-675 ; Y3.2 21.26,-540 ; 21.26,-540 21.26,-616.26 35,-630 75,-630 82.5,-637.5 82.5,-675
XTAL2: C38.1 IC3.33 R43.1 Y3.1 | length 679.6
  Top Layer w10: Y3.1 1.58,-540 ; C38.1 -57.5,-675 ; R43.1 -57.5,-675 ; 1.58,-505 1.58,-480 ; IC3.33 1.58,-480 ; -57.5,-675 -57.5,-637.5 -50,-630 -10,-630 1.58,-618.42 1.58,-540 ; 1.58,-540 1.58,-480
pads on no net: D1.1 F1.0 F2.0 F3.0 F4.0 IC3.1 IC3.4 IC3.5 IC3.6 IC3.7 IC3.8 IC3.9 IC3.12 IC3.13 IC3.14 IC3.15 IC3.16 IC3.17 IC3.18 IC3.19 IC3.26 IC3.27 IC3.28 IC3.29 IC3.35 IC3.36 IC3.37 IC3.38 IC3.39 IC3.41 IC3.42 IC3.47 IC3.48 IC3.49 IC3.51 IC3.52 IC3.53 IC3.54 IC3.55 IC3.56 IC3.57 IC3.58 IC3.59 IC3.60 IC3.65 IC3.66 IC3.67 IC3.68 IC3.69 IC3.70 IC3.71 IC3.72 IC3.73 IC3.76 IC3.77 IC3.78 IC3.79 IC3.82 IC3.83 IC3.84 IC3.85 IC3.86 IC3.87 IC3.88 IC3.89 IC3.90 IC3.91 IC3.92 IC3.93 IC3.94 IC3.95 IC3.96 P2.0 P2.1 P2.2 P2.5 P2.6 P7.4 P7.MT SIM1.C6 TVS1.1 TVS1.3 U3.5 U3.6 U4.2 U4.3 U4.4 U4.5 U4.6 U4.7 U4.8 U4.11 U4.12 U4.13 U4.14 U4.25 U4.26 U4.27 U4.28 U4.34 U4.35 U4.36 U4.37 U4.38 U4.40 U4.41 U4.42 U4.43 U4.44 U4.47 U4.48 U4.49 U4.50 U4.51 U4.67 U4.68 U8.3 U8.6 U8.8 U8.9 U8.10 U8.11 U8.12 U8.13 U8.14 U8.21 U8.22 U8.23 U8.24

## Polygon pours and split planes (outlines as drawn)
GND on Bottom Layer "Top Layer-No Net" (solid, remove dead copper, pour order 9): -2165.36,1318.9 -2165.35,1318.9 2165.35,1318.9 2165.35,-1318.9 -2165.36,-1318.9 -2165.36,1318.9
GND on Top Layer "Top Layer-No Net" (solid, remove dead copper, pour order 2): -2165.36,1318.9 -2165.35,1318.9 2165.35,1318.9 2165.35,-1318.9 -2165.36,-1318.9 -2165.36,1318.9

## Keep-outs
Keep-Out Layer:
  lines w10: -2165,-195 -2101.95,-195 ccw(c-2101.95,-155.63) -2062.58,-155.63 -2062.58,160.63 ccw(c-2101.95,160.63) -2101.95,200 -2165,200

## Silkscreen, mask and mechanical layers (free items; w line width, h text height)
Top Overlay:
  text "NASCO" at -2100,1225 h150
  text "SMS ALARM GATEWAY" at -775,1225 h150
  text "V2" at 350,1225 h150
  text "⋮" at -245,-970 h450
  text "20140507" at 1800,-1250 h100
Bottom Overlay:
  text "http://ludzinc.blogspot.com.au" at 373.74,1107.32 h180
  text "⋮" at -1000,725 h1500 r90
Mechanical 1:
  lines w10: -2165.36,-1318.9 2165.35,-1318.9 ; -2165.36,-1318.9 -2165.36,-1318.9 ; -2165.36,-1318.9 -2165.36,-195 ; -2165.36,-1318.9 -2165.36,-195 ; -2165.36,-1318.9 2165.35,-1318.9 ; -2165.36,-1318.9 -2165.36,-1318.9 ; -2165.36,-1318.9 -2165.36,-1318.9 ; -2165.36,-1318.9 2165.35,-1318.9 ; -2165.36,-195 -2102.3,-195 ; -2165.36,-195 -2165.36,-195 ; -2165.36,-195 -2102.3,-195 ; -2165.36,-195 -2102.3,-195 ; -2165.36,200 -2102.3,200 ; -2165.36,200 -2165.36,1318.9 ; -2165.36,200 -2165.36,1318.9 ; -2165.36,200 -2102.3,200 ; -2165.36,200 -2165.36,1318.9 ; -2165.36,200 -2102.3,200 ; -2165.36,1318.9 2165.35,1318.9 ; -2165.36,1318.9 2165.35,1318.9 ; -2165.36,1318.9 2165.35,1318.9 ; -2102.3,-195 ccw(c-2102.3,-155.63) -2062.93,-155.63 -2062.93,160.63 ccw(c-2102.3,160.63) -2102.3,200 ; 2165.35,-1318.9 2165.35,1318.9 ; 2165.35,-1318.9 2165.35,1318.9 ; 2165.35,-1318.9 2165.35,-1318.9 ; 2165.35,-1318.9 2165.35,-1318.9 ; 2165.35,-1318.9 2165.35,1318.9 ; 2165.35,1318.9 2165.35,1318.9 ; 0,1318.9 0,1318.9
Mechanical 2:
  lines w10: -2210.63,-1397.64 2210.63,-1397.64 2210.63,1397.64 -2210.63,1397.64 -2210.63,-1397.64 ; 2165.35,1257.85 2165.35,1257.85
Mechanical 3:
  lines w10: -2165.35,-1236.22 -2110,-1236.22 ; -2165.35,1236.22 -2110,1236.22 2165.35,1236.22 ; -2108.78,-1236.22 2165.35,-1236.22

## Text inside footprints (layer, text, board x,y; h text height)
C1: Top Overlay "+" at 554.53,913.19 h59.06 r90
C3: Top Overlay "+" at 554.53,563.19 h59.06 r90
C11: Top Overlay "+" at -2099.48,663.11 h59.06 r270
C16: Top Overlay "+" at 1329.53,-486.81 h59.06 r90